# Altium PCB norbi_lm.PcbDoc (part 5 of 5)
Units mm, origin at the board's own origin, x right, y up, seen from the top; angles counter-clockwise.
Board outline 96.04 x 102.67 mm, 6 copper layers (Top Layer, Power Layer, Signal Layer 1, GND Plane, Signal Layer 2, Bottom Layer), stack 1.48 mm thick; 451 components, 338 nets, 1877 pads, 1157 vias.
Unrouted connection lines stored in the file: 161.
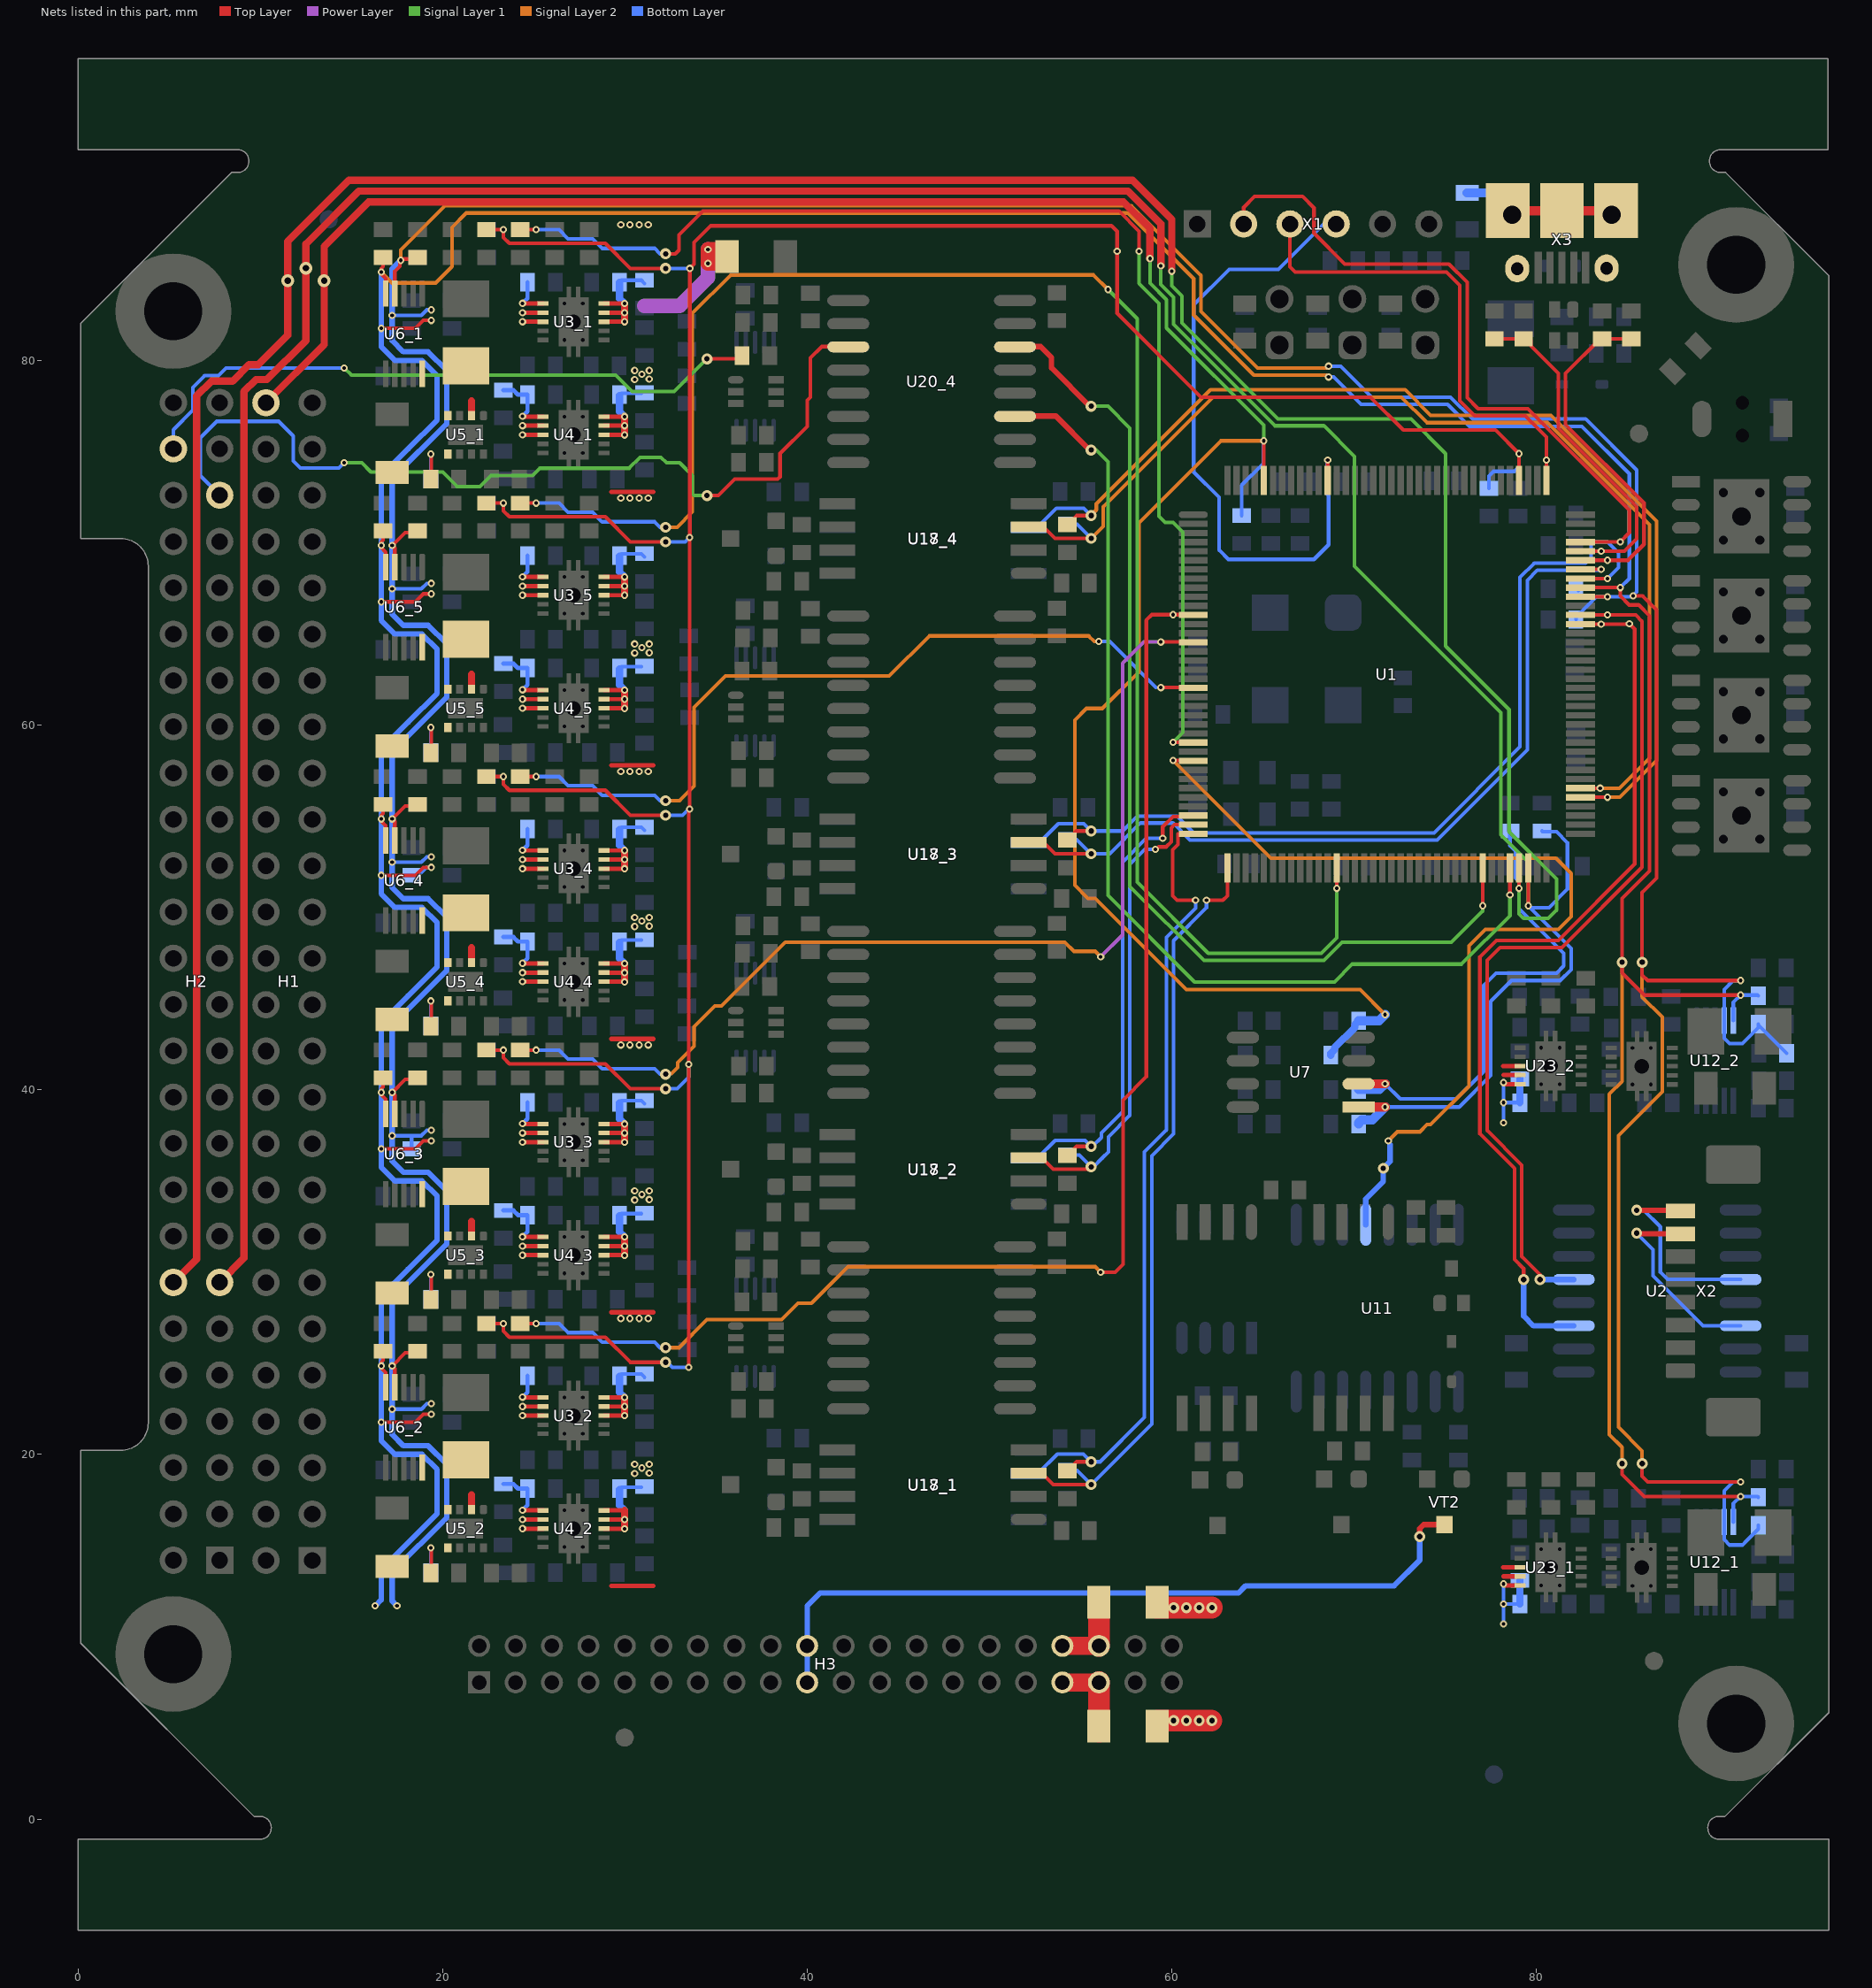
[diagram p9: the nets of this part, all layers, seen from the top]

## Via types
v1: diameter 0.4, hole 0.2, Top Layer to Bottom Layer, tented both sides, 743 vias
v2: diameter 0.6, hole 0.3, Top Layer to Bottom Layer, 348 vias
v3: diameter 0.6, hole 0.6, Top Layer to Bottom Layer, 16 vias
v4: diameter 0.7, hole 0.4, Top Layer to Bottom Layer, 16 vias
v5: diameter 0.5, hole 0.2, Top Layer to Bottom Layer, 10 vias
v6: diameter 0.7, hole 0.35, Top Layer to Bottom Layer, 7 vias
v7: diameter 1.1, hole 0.8, Top Layer to Bottom Layer, 5 vias
v8: diameter 1.3, hole 0.85, Top Layer to Bottom Layer, 4 vias
v9: diameter 1, hole 0.7, Top Layer to Bottom Layer, 2 vias
v10: diameter 0.5, hole 0.3, Top Layer to Bottom Layer, 2 vias
v11: diameter 4.5, hole 3, Top Layer to Bottom Layer, 2 vias
v12: diameter 0.6, hole 0.4, Top Layer to Bottom Layer, 1 vias
v13: diameter 1.2, hole 0.8, Top Layer to Bottom Layer, 1 vias

## Nets (pads, with @x,y where several pads share a name; then routed paths per layer and width w, separated by ;. In a path a pad name is that pad's centre, name@x,y a point inside that pad or via, vN(x,y) a via of type N, cw(c..) or ccw(c..) an arc to the next point about the centre after c; other vN are vias at no path point) (continued)
PWR_ENA_3_PL1.1A: R26_2.2 U1.12 | length 74.3
  Top Layer w0.2: R26_2.2@24.332,27.185 24.356,27.161 24.38,27.185 v1(25.132,27.185) ; v1(56.1,30) 56.887,30 57.32,30.433 57.32,39.438 58.6,40.718 58.6,65.753 58.913,66.066 v1(60.066,66.066) U1.12@61.191,66.066
  Signal Layer 2 w0.2: v2(32.232,25.861) 32.961,25.861 34.5,27.4 38.6,27.4 39.5,28.3 40.233,28.3 42.233,30.3 55.8,30.3 v1(56.1,30)
  Bottom Layer w0.2: v1(25.132,27.185) 26.386,27.185 26.883,26.687 28.228,26.687 28.754,26.161 31.632,26.161 31.932,25.861 v2(32.232,25.861) v2@32.232,25.921
PWR_ENA_3_PL1.1B: R26_3.2 U1.15 | length 57.4
  Top Layer w0.2: R26_3.2@24.332,42.185 24.356,42.161 24.38,42.185 v1(25.132,42.185) ; v1(59.4,64.566) U1.15@61.191,64.566
  Power Layer w0.2: v1(56.1,47.3) 57.3,48.5 57.3,63.4 58.466,64.566 v1(59.4,64.566)
  Signal Layer 2 w0.2: v2@32.3,40.9 32.561,40.9 32.9,41.239 32.9,41.5 33.8,42.4 33.8,43.461 34.939,44.6 35.3,44.6 38.8,48.1 54.134,48.1 54.634,47.6 55.8,47.6 v1(56.1,47.3)
  Bottom Layer w0.2: v1(25.132,42.185) 26.386,42.185 26.883,41.687 28.228,41.687 28.754,41.161 31.632,41.161 31.932,40.861 v2(32.232,40.861) v2@32.232,40.921
PWR_ENA_3_PL1.2: R26_4.2 U1.20 | length 44.7
  Top Layer w0.2: R26_4.2@24.332,57.185 24.356,57.161 24.38,57.185 v1(25.132,57.185) ; v1(59.4,62.066) U1.20@61.191,62.066 ; U1.20@61.237,62.074 U1.20@61.241,62.077
  Signal Layer 2 w0.2: v2(32.232,55.861) 33,55.861 33.8,56.661 33.8,60.98 35.52,62.7 44.5,62.7 46.7,64.9 55.446,64.9 55.746,64.6 v1(56,64.6) v1@56.1,64.6
  Bottom Layer w0.2: v1(25.132,57.185) 26.386,57.185 26.883,56.687 28.228,56.687 28.754,56.161 31.632,56.161 31.932,55.861 v2(32.232,55.861) v2@32.232,55.921 ; v1@56.1,64.6 56.592,64.6 59.126,62.066
PWR_ENA_3_PL2: R26_5.2 U1.49 | length 95.1
  Top Layer w0.2: R26_5.2@24.332,72.185 24.356,72.161 24.38,72.185 v1(25.132,72.185) ; v1(69.05,51.05) U1.49@69.05,52.175
  Signal Layer 1 w0.2: v1(56.5,83.9) 58.1,82.3 58.1,51.4 62,47.5 68.2,47.5 69.05,48.35 v1(69.05,51.05)
  Signal Layer 2 w0.2: v2(32.232,70.861) 32.861,70.861 33.7,71.7 33.7,82.593 35.807,84.7 55.7,84.7 v1(56.5,83.9)
  Bottom Layer w0.2: v1(25.132,72.185) 26.386,72.185 26.883,71.687 28.228,71.687 28.754,71.161 31.632,71.161 31.932,70.861 v2(32.232,70.861) v2@32.232,70.921
PWR_ENA_3V3: R26_1.2 U1.26 | length 67
  Top Layer w0.2: R26_1.2@24.332,87.185 24.356,87.161 24.38,87.185 v1(25.132,87.185) ; v2(32.232,85.861) 32.761,85.861 32.961,86.061 32.961,86.89 34.271,88.2 57.1,88.2 58.2,87.1 v1(58.2,86) ; v1(60.066,59.066) U1.26@61.191,59.066
  Signal Layer 1 w0.2: v1(58.2,86) 58.2,84.238 59.3,83.138 59.3,71.46 59.635,71.125 60.075,71.125 60.6,70.6 60.6,59.6 v1(60.066,59.066)
  Bottom Layer w0.2: v1(25.132,87.185) 26.386,87.185 26.883,86.687 28.228,86.687 28.754,86.161 31.632,86.161 31.932,85.861 v2(32.232,85.861) v2@32.232,85.921
PWR_GD: R12.2 R42_1.1 R42_2.1 R42_3.1 R42_4.1 R42_5.1 U1.112 | length 182.4
  Top Layer w0.2: R42_2.1@22.432,27.185 23.318,27.185 v1@23.332,27.171 ; R42_3.1@22.432,42.185 23.318,42.185 v1@23.332,42.171 ; R42_4.1@22.432,57.185 23.318,57.185 v1@23.332,57.171 ; R42_5.1@22.432,72.185 23.318,72.185 v1@23.332,72.171 ; R42_1.1@22.432,87.185 23.318,87.185 v1@23.332,87.171 ; v1(23.332,27.185) v1@23.332,27.171 ; v1(23.332,42.185) v1@23.332,42.171 ; v1(23.332,57.185) v1@23.332,57.171 ; v1(23.332,72.185) v1@23.332,72.171 ; v1(23.332,87.185) v1@23.332,87.171 ; v1@23.342,27.161 v1@23.332,27.171 ; v1@23.342,42.161 v1@23.332,42.171 ; v1@23.342,57.161 v1@23.332,57.171 ; v1@23.342,72.161 v1@23.332,72.171 ; v1@23.342,87.161 v1@23.332,87.171 ; v2(32.232,25.061) 30.299,25.061 28.927,26.433 23.66,26.433 23.332,26.761 v1@23.332,27.171 ; v2(32.232,40.061) 30.299,40.061 28.927,41.433 23.66,41.433 23.332,41.761 v1@23.332,42.171 ; v2(32.232,55.061) 30.299,55.061 28.927,56.433 23.66,56.433 23.332,56.761 v1@23.332,57.171 ; v2(32.232,70.061) 30.299,70.061 28.927,71.433 23.66,71.433 23.332,71.761 v1@23.332,72.171 ; v2(32.232,85.061) 30.299,85.061 28.927,86.433 23.66,86.433 23.332,86.761 v1@23.332,87.171 ; v1(33.5,24.775) v1(33.5,41.4) 33.5,55.35 v1(33.55,55.4) ; v1@33.543,55.557 v1(33.543,70.3) 33.543,70.379 33.561,70.396 v1(33.561,85.061) 33.8,85.3 33.8,86.477 34.721,87.398 56.687,87.398 57,87.085 v1(57,86) 57,82.6 61.6,78 70.9,78 72.7,76.2 77.75,76.2 v1(79.05,74.9) U1.112@79.05,73.425
  Bottom Layer w0.2: v2(32.232,25.061) 32.271,25.1 32.596,24.775 v1(33.5,24.775) ; v2(32.232,40.061) 32.861,40.061 33.5,40.7 v1(33.5,41.4) ; v2(32.232,55.061) 33.161,55.061 33.5,55.4 v1(33.55,55.4) ; v2(32.232,70.061) 33.304,70.061 v1(33.543,70.3) ; v2(32.232,85.061) v1(33.561,85.061) ; R12.2@77.402,73 77.402,73.674 77.4,73.676 77.655,73.931 78.8,73.931 79.05,74.181 v1(79.05,74.9)
PWR_SCL: R10.2 R34_1.1 R34_2.1 R34_3.1 R34_4.1 R34_5.1 R39_4.1 R62_1.1 R62_2.1 U1.100 U6_1.5 U6_2.5 U6_3.5 U6_4.5 U6_5.5 U12_1.5 U12_2.5 | length 276.9
  Top Layer w0.2: v1(16.632,21.771) 18.496,21.771 18.932,22.207 v1(19.378,22.207) ; v1(16.632,36.771) 18.496,36.771 18.932,37.207 v1(19.378,37.207) ; v1(16.632,51.771) 18.496,51.771 18.932,52.207 v1(19.378,52.207) ; v1(16.632,66.771) 18.496,66.771 18.932,67.207 v1(19.378,67.207) ; v1(16.632,81.771) 18.496,81.771 18.932,82.207 v1(19.378,82.207) ; R34_2.1@16.732,25.661 16.732,25.161 16.632,25.061 v1(16.632,24.861) 16.632,24.736 16.878,24.489 U6_2.5@16.878,23.682 ; R34_3.1@16.732,40.661 16.732,40.161 16.632,40.061 v1(16.632,39.861) 16.632,39.736 16.878,39.489 U6_3.5@16.878,38.682 ; R34_4.1@16.732,55.661 16.732,55.161 16.632,55.061 v1(16.632,54.861) 16.632,54.736 16.878,54.489 U6_4.5@16.878,53.682 ; R34_5.1@16.732,70.661 16.732,70.161 16.632,70.061 v1(16.632,69.861) 16.632,69.736 16.878,69.489 U6_5.5@16.878,68.682 ; R34_1.1@16.732,85.661 16.732,85.161 16.632,85.061 v1(16.632,84.861) 16.632,84.736 16.878,84.489 U6_1.5@16.878,83.682 ; U1.100@82.425,67.55 v1(84.6,67.55) 84.6,67.095 85.095,66.6 85.611,66.6 86.2,66.011 86.2,52 84.7,50.5 v2(84.7,47) 84.7,46.411 85.911,45.2 v1(91.2,45.2) ; v2(84.7,19.5) 84.7,18.911 85.911,17.7 v1(91.2,17.7)
  Signal Layer 2 w0.2: v1(16.632,84.861) 17.227,84.266 19.62,84.266 20.518,85.164 20.518,87.318 21.3,88.1 57.6,88.1 61.2,84.5 61.2,82.5 64.5,79.2 68.5,79.2 v1(68.6,79.1) ; v2(84.7,19.5) 84.7,20.4 84,21.1 84,39.765 84.7,40.465 v2(84.7,47)
  Bottom Layer w0.2: R39_4.1@18.299,51.771 18.671,51.771 19.107,52.207 v1(19.378,52.207) ; v1(68.6,79.1) 68.885,79.1 70.385,77.6 75.126,77.6 76.326,76.4 82.5,76.4 85.1,73.8 85.1,68.05 v1(84.6,67.55) 82.45,67.55 R10.2@82.3,67.4 ; U12_1.5@90.8,16.3 90.8,17.3 v1(91.2,17.7) 92.132,17.7 R62_1.1@92.176,17.656 ; U12_2.5@90.8,43.8 90.8,44.8 v1(91.2,45.2) 92.132,45.2 R62_2.1@92.176,45.156
  Bottom Layer w0.3: v1(16.3,11.7) 16.632,12.032 16.632,13.687 18.106,15.161 19.698,16.752 19.698,19.178 18.867,20.009 17.384,20.009 16.632,20.761 v1(16.632,21.771) 16.632,22.461 ; 16.632,22.483 v1(16.632,24.861) 16.632,27.775 ; 16.632,27.785 16.632,28.687 18.106,30.161 19.698,31.752 19.698,34.178 18.867,35.009 17.384,35.009 16.632,35.761 v1(16.632,36.771) 16.632,37.461 ; 16.632,37.483 v1(16.632,39.861) 16.632,42.775 ; 16.632,42.785 16.632,43.687 18.106,45.161 19.698,46.752 19.698,49.178 18.867,50.009 17.384,50.009 16.632,50.761 v1(16.632,51.771) 16.632,52.461 ; 16.632,52.483 v1(16.632,54.861) 16.632,57.775 ; 16.632,57.785 16.632,58.687 18.106,60.161 19.698,61.752 19.698,64.178 18.867,65.009 17.384,65.009 16.632,65.761 v1(16.632,66.771) 16.632,67.461 ; 16.632,67.483 v1(16.632,69.861) 16.632,72.775 ; 16.632,72.785 16.632,73.687 18.106,75.161 19.698,76.752 19.698,79.178 18.867,80.009 17.384,80.009 16.632,80.761 v1(16.632,81.771) 16.632,82.461 ; 16.632,82.483 v1(16.632,84.861)
PWR_SDA: R9.2 R35_1.1 R35_2.1 R35_3.1 R35_4.1 R35_5.1 R39_3.1 R63_1.1 R63_2.1 R66_2.1 U1.99 U6_1.4 U6_2.4 U6_3.4 U6_4.4 U6_5.4 U12_1.4 U12_2.4 | length 284.9
  Top Layer w0.2: U6_2.4@17.378,23.682 17.378,24.714 v1(17.232,24.861) 17.946,25.574 R35_2.1@18.783,25.574 ; U6_3.4@17.378,38.682 17.378,39.714 v1(17.232,39.861) 17.946,40.574 R35_3.1@18.783,40.574 ; U6_4.4@17.378,53.682 17.378,54.714 v1(17.232,54.861) 17.946,55.574 R35_4.1@18.783,55.574 ; U6_5.4@17.378,68.682 17.378,69.714 v1(17.232,69.861) 17.946,70.574 R35_5.1@18.783,70.574 ; U6_1.4@17.378,83.682 17.378,84.9 17.662,85.184 17.662,85.462 17.774,85.574 R35_1.1@18.783,85.574 ; U1.99@82.425,67.05 v1(83.9,67.05) ; v1(85.3,67.1) 85.825,67.1 86.6,66.325 86.6,51.625 85.8,50.825 v2(85.8,47) 85.8,46.311 86.111,46 v1(91.2,46) ; v2(85.8,19.5) 85.8,18.811 86.111,18.5 v1(91.2,18.5)
  Signal Layer 2 w0.2: v1(17.7,85.5) 17.7,86.068 20.132,88.5 57.775,88.5 61.6,84.675 61.6,82.7 64.7,79.6 68.5,79.6 v1(68.6,79.7) ; v2(85.8,19.5) 85.8,20.2 84.5,21.5 84.5,37.5 86.9,39.9 86.9,44 85.8,45.1 v2(85.8,47)
  Bottom Layer w0.2: v1(17.232,22.485) 18.832,22.485 19.132,22.785 v1(19.378,22.785) ; v1(17.232,37.485) 18.3,37.485 ; v1(17.232,52.485) 18.832,52.485 19.132,52.785 v1(19.378,52.785) ; v1(17.232,67.485) 18.832,67.485 19.132,67.785 v1(19.378,67.785) ; v1(17.232,82.485) 18.832,82.485 19.132,82.785 v1(19.378,82.785) ; R39_3.1@18.299,36.771 18.299,37.483 18.3,37.485 ; v1(19.378,37.785) 19.132,37.785 18.832,37.485 18.3,37.485 ; v1(68.6,79.7) 69.261,79.7 70.961,78 75.292,78 76.492,76.8 82.7,76.8 85.5,74 85.5,67.317 85.3,67.117 v1(85.3,67.1) 85.246,67.1 85.196,67.05 v1(83.9,67.05) 83.281,67.05 82.169,65.937 R9.2@82.169,65.8 ; v1(91.2,18.5) 90.8,18.5 90.3,18 90.3,15.336 90.6,15.036 91.3,15.036 91.519,15.255 91.957,15.693 92.176,15.912 R63_1.1@92.176,16.113 ; v1(91.2,46) 90.8,46 90.3,45.5 U12_2.4@90.3,43.8 90.3,42.836 90.6,42.536 91.3,42.536 91.519,42.755 91.957,43.193 92.176,43.412 R63_2.1@92.176,43.56 ; R63_2.1@92.176,43.613 R63_2.1@92.176,43.56 ; R66_2.1@93.724,42.012 R63_2.1@92.176,43.56
  Bottom Layer w0.3: v1(17.5,11.7) 17.232,11.968 17.232,13.552 20.232,16.552 20.232,19.459 19.206,20.485 17.849,20.485 17.232,21.101 v1(17.232,22.485) v1(17.232,24.861) 17.232,28.552 20.232,31.552 20.232,34.459 19.206,35.485 17.849,35.485 17.232,36.101 v1(17.232,37.485) v1(17.232,39.861) 17.232,43.552 20.232,46.552 20.232,49.459 19.206,50.485 17.849,50.485 17.232,51.101 v1(17.232,52.485) v1(17.232,54.861) 17.232,58.552 20.232,61.552 20.232,64.459 19.206,65.485 17.849,65.485 17.232,66.101 v1(17.232,67.485) v1(17.232,69.861) 17.232,73.552 20.232,76.552 20.232,79.459 19.206,80.485 17.849,80.485 17.232,81.101 v1(17.232,82.485) 17.232,85.032 v1(17.7,85.5)
RT_FL_PL1: H3.19 H3.20 VT2.3 | length 42
  Top Layer w0.3: v2(73.6,15.5) 73.6,15.932 73.818,16.15 VT2.3@74.95,16.15
  Bottom Layer w0.3: H3.19@40,7.5 H3.20@40,9.5 40,11.7 40.7,12.4 63.65,12.4 64.05,12.8 72.2,12.8 73.6,14.2 v2(73.6,15.5)
RT_FL_PL1_MC: U1.28 U11.12 | length 52.5
  Top Layer w0.2: v1(60.066,58.066) U1.28@61.191,58.066
  Signal Layer 2 w0.2: v1(60.066,58.066) 65.432,52.7 81.071,52.7 81.9,51.871 81.9,49.5 81.2,48.8 77.2,48.8 76.3,47.9 76.3,40.2 74.2,38.1 74.005,38.1 73.605,37.7 72.376,37.7 v1(71.876,37.2)
  Bottom Layer w0.3: U11.12@70.64,32.6 70.64,34.015 71.6,34.975 v2(71.6,35.7) 71.976,36.076 71.976,37
SWCLK: U1.109 X1.3 | length 26.4
  Top Layer w0.2: X1.3@66.48,87.5 66.48,85.149 66.768,84.861 75.066,84.861 75.8,84.127 75.8,77.8 76.618,76.982 79.385,76.982 80.55,75.817 v1(80.55,74.55) U1.109@80.55,73.425
SWDIO: U1.105 X1.2 | length 38.1
  Top Layer w0.2: X1.2@63.94,87.5 63.94,88.41 64.53,89 67.17,89 67.8,88.37 67.8,86.994 69.494,85.3 75.2,85.3 76.2,84.3 76.2,77.961 76.8,77.361 79.539,77.361 85.1,71.8 85.1,70.561 v1(84.6,70.061) 82.436,70.061 U1.105@82.425,70.05
SWO: U1.133 X1.4 | length 36.1
  Top Layer w0.2: U1.133@68.55,73.425 v1(68.55,74.55)
  Bottom Layer w0.2: v1(68.55,74.55) 68.52,74.58 68.52,72.675 68.6,72.595 68.6,69.9 67.8,69.1 63.112,69.1 62.6,69.612 62.6,72.5 61.2,73.9 61.2,83.054 63.146,85 65.854,85 68.354,87.5 X1.4@69.02,87.5
SYS_FAILURE: U1.65 U20_4.14 | length 58
  Top Layer w0.2: v1@77.05,50 v1(77.05,50.1) U1.65@77.05,52.175
  Top Layer w0.3: U20_4.14@51.5,80.65 51.62,80.77 52.806,80.77 53.4,80.176 53.4,79.6 v2@55.5,77.5
  Signal Layer 1 w0.2: v2(55.578,77.5) 56.5,77.5 57.7,76.3 57.7,51.166 61.766,47.1 68.339,47.1 69.339,48.1 75.339,48.1 77.05,49.811 v1@77.05,50
SYS_FAILURE_PL: H2.47 U20_4.3 | length 50.2
  Top Layer w0.2: v2@34.778,72.6 35.131,72.6 36.031,73.5 38.379,73.5 38.512,73.633 38.512,74.912 40,76.4 40,77.822 40.178,78 40.178,80.148 40.8,80.77 42.23,80.77 U20_4.3@42.35,80.65
  Signal Layer 1 w0.2: v1(14.6,74.4) 15.566,74.4 16.066,73.9 20,73.9 20.8,73.1 22.049,73.1 22.649,73.7 24.937,73.7 25.337,74.1 30.234,74.1 30.834,74.7 31.98,74.7 32.28,74.4 33.001,74.4 33.7,73.701 33.7,72.7 33.8,72.6 v2(34.5,72.6)
  Bottom Layer w0.2: H2.47@7.77,72.62 6.7,73.69 6.7,75.761 7.609,76.67 11,76.67 11.8,75.87 11.8,74.5 12.191,74.109 14.309,74.109 v1(14.6,74.4)
TM_ANA: U1.68 U20_4.11 | length 57.9
  Top Layer w0.2: v1(78.55,50.7) U1.68@78.55,52.175
  Top Layer w0.3: U20_4.11@51.5,76.84 51.62,76.96 53.64,76.96 v2@55.5,75.1
  Signal Layer 1 w0.2: v2(55.578,75.1) 55.85,75.1 56.5,74.45 56.5,50.669 61.249,45.92 68.925,45.92 69.905,46.9 75.9,46.9 78.55,49.55 v1(78.55,50.7)
TM_ANA_TOP_PL: H2.50 R75_4.2 | length 35.5
  Top Layer w0.2: v2@34.778,80.1 36.078,80.1 R75_4.2@36.258,80.28
  Top Layer w0.3: R75_4.2@36.258,80.28 R75_4.2@36.422,80.28
  Signal Layer 1 w0.2: v1(14.6,79.6) 15,79.2 29.5,79.2 30.4,78.3 32.7,78.3 v2(34.5,80.1)
  Bottom Layer w0.2: H2.50@5.23,75.16 5.23,76.21 6.3,77.28 6.3,78.535 6.944,79.178 7.7,79.178 8.122,79.6 v1(14.6,79.6)
TRM_ALERT: H1.52 R15.2 R45.1 R47.2 U1.140 | length 132.4
  Top Layer w0.2: v1(65.039,75.6) 65.039,73.436 U1.140@65.05,73.425
  Top Layer w0.4: H1.52@10.31,77.69 13.5,80.88 v6(13.5,84.385) 13.5,86.269 15.931,88.7 57.351,88.7 58.8,87.251 v1(58.8,85.6)
  Signal Layer 1 w0.2: v1(58.8,85.6) 58.8,84.253 59.711,83.343 59.711,81.789 65.039,76.461 v1(65.039,75.6)
  Signal Layer 2 w0.2: v1(65.039,75.6) 62.7,75.6 58.2,71.1 58.2,62.933 56.188,60.922 55.322,60.922 54.676,60.276 54.676,51.224 55.4,50.5 55.8,50.5 60.8,45.5 70.33,45.5 v1(71.7,44.13)
  Bottom Layer w0.2: R15.2@63.839,71.5 63.839,73.175 65.02,74.355 65.02,75.581 v1(65.039,75.6)
  Bottom Layer w0.4: R47.2@68.726,41.904 68.726,42.005 68.932,42.212 68.932,42.312 70.044,43.424 70.044,43.584 R45.1@70.25,43.791
  Bottom Layer w0.5: R45.1@70.25,43.791 71.361,43.791 v1(71.7,44.13)
TRM_SCL: H2.14 R13.2 R44.1 U1.69 U7.2 | length 194.8
  Top Layer w0.2: v1(79.05,51.05) U1.69@79.05,52.175
  Top Layer w0.4: H2.14@5.23,29.44 6.5,30.71 6.5,78.061 7.314,78.874 8.474,78.874 9.38,79.78 9.892,79.78 11.5,81.388 v6(11.5,84.385) 11.5,86.531 14.869,89.9 57.849,89.9 60,87.749 v1(60,84.9)
  Top Layer w0.5: U7.2@70.25,40.33 v1(71.7,40.33)
  Signal Layer 1 w0.2: v1(60,84.9) 60,84.1 60.56,83.54 60.56,82.064 65.824,76.8 73.12,76.8 75.02,74.9 75.02,64.343 78.5,60.863 78.5,54.175 81.1,51.575 81.1,49.86 80.64,49.4 79.3,49.4 79.05,49.65 v1(79.05,51.05)
  Bottom Layer w0.2: v1(71.7,40.33) 72.53,39.5 75.6,39.5 77.1,41 77.1,45.73 77.775,46.405 81.105,46.405 81.5,46.8 81.5,47.496 79.05,49.946 v1(79.05,51.05) 79.05,51.428 78.85,51.628 78.85,53.1 78.55,53.4 R13.2@78.55,54.2
  Bottom Layer w0.5: R44.1@70.25,40.017 71.387,40.017 v1(71.7,40.33)
TRM_SDA: H2.13 R14.2 R43.1 U1.70 U7.1 | length 187.9
  Top Layer w0.2: U1.70@79.55,52.175 79.561,52.164 v1(79.561,50.1) v1@79.561,50
  Top Layer w0.4: H2.13@7.77,29.44 9.1,30.77 9.1,78.3 9.761,78.961 10.361,78.961 12.5,81.1 v6(12.5,85.075) 12.5,86.4 15.4,89.3 57.6,89.3 59.4,87.5 v1(59.4,85.2)
  Top Layer w0.5: U7.1@70.25,39.06 v1(71.7,39.06)
  Signal Layer 1 w0.2: v1(59.4,85.2) 59.4,84.177 60.1,83.477 60.1,81.99 65.66,76.43 68.335,76.43 70.02,74.745 70.02,68.73 78.05,60.7 78.05,53.997 79.561,52.487 v1(79.561,50.1)
  Bottom Layer w0.2: v1(71.7,39.06) 75.76,39.06 77.5,40.8 77.5,44.86 78.64,46 81.3,46 81.9,46.6 81.9,47.761 v1@79.661,50 ; v1@79.561,50 v1@79.661,50 ; v1(79.561,50.1) v1@79.661,50 ; R14.2@80.3,54.2 80.339,54.161 81.1,54.161 81.7,53.561 81.7,51.012 80.688,50 v1@79.661,50
  Bottom Layer w0.5: R43.1@70.25,38.13 70.25,38.201 70.406,38.358 70.998,38.358 v1(71.7,39.06)
UART_RX_PL1.1A: R71_1.1 U1.37 U18_1.3 | length 42.8
  Top Layer w0.2: U18_1.3@52.15,18.98 52.87,18.98 53.5,18.35 v2(55.578,18.35) ; v1(61.9,50.4) 62.8,50.4 63.05,50.65 U1.37@63.05,52.175
  Bottom Layer w0.2: R71_1.1@54.278,19.124 54.804,19.124 v2(55.578,18.35) 58.9,21.672 58.9,36.385 60.1,37.585 60.1,48.184 61.9,49.984 v1(61.9,50.4)
UART_RX_PL1.1B: R71_2.1 U1.35 U18_2.3 | length 27